# KiCad board ENV_KB.kicad_pcb (continued)
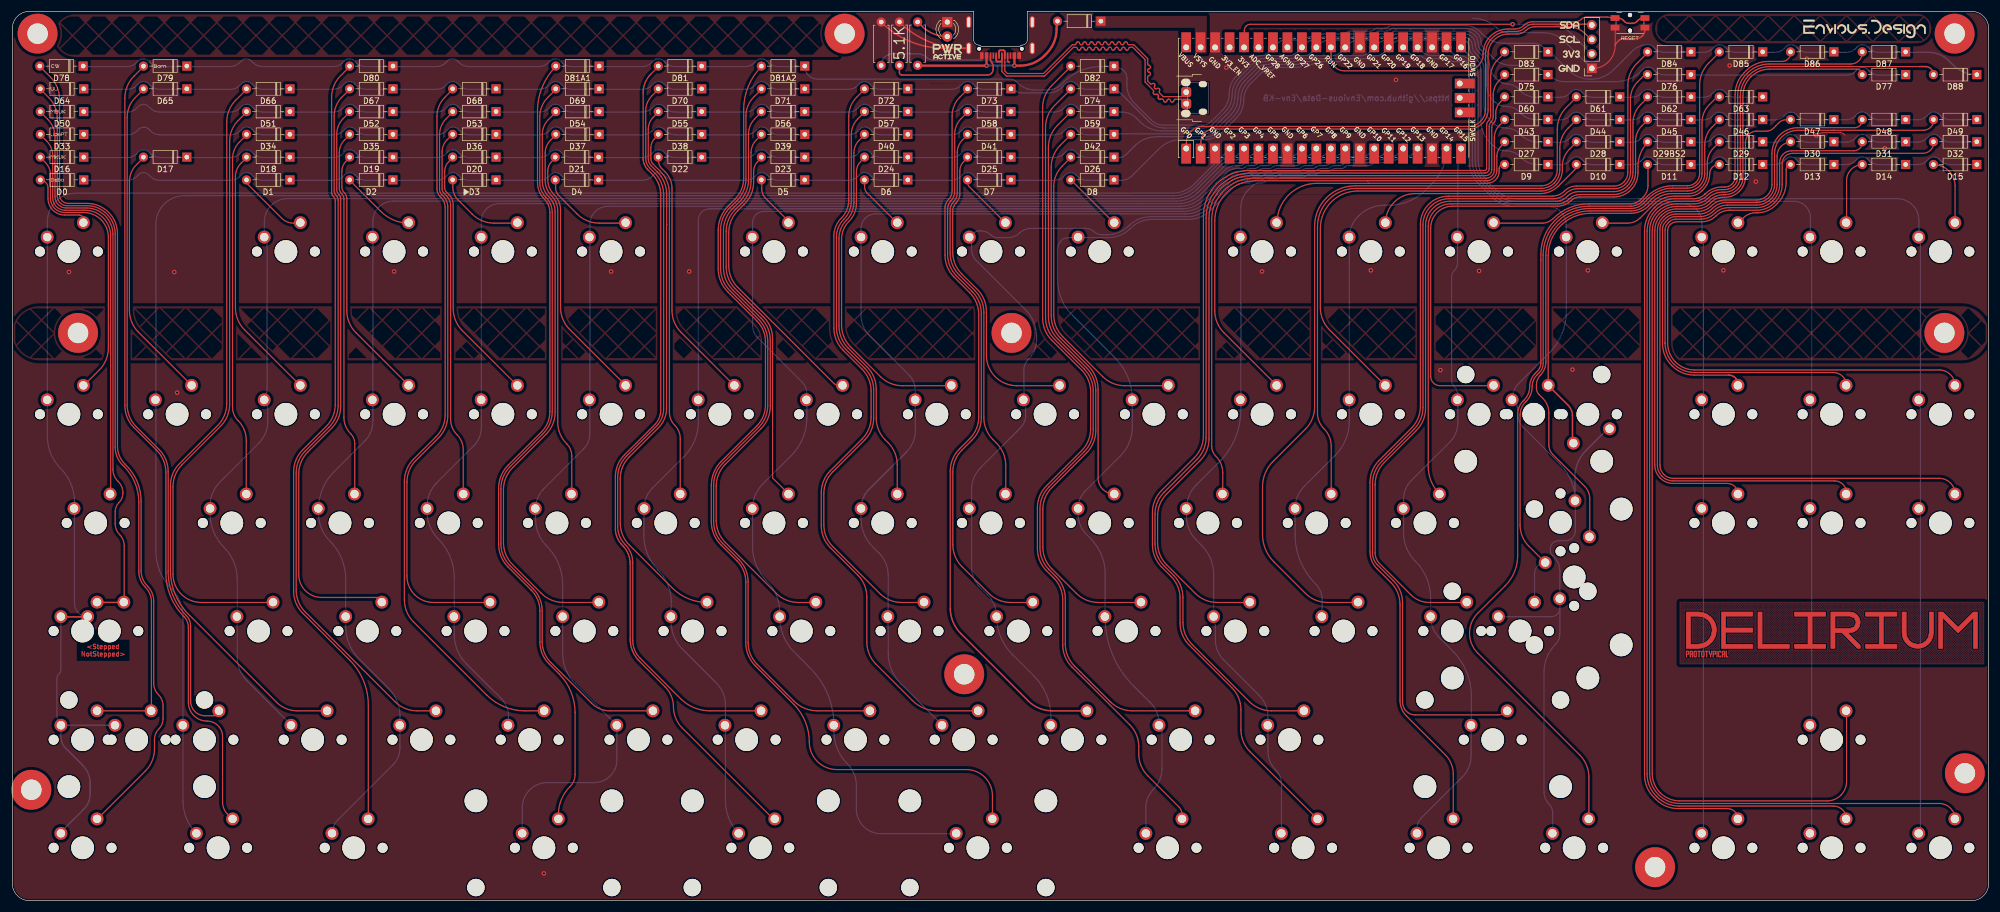
[diagram p0: board, top side]
## Routing (per net, layer and track width the routed paths; a pad name or vN(x,y) marks a point on that pad's centre or on a via; arc(x,y) is an arc through that point) (continued)

## Copper pours and planes (outline as drawn; the poured copper is in the pictures)
GND on Top, Bottom: 259.34,124.16 196.23,124.16 196.23,148.48 183.78,148.48 183.8,143.89 161.13,143.64 161.16,156.16 259.34,156.15
GND on Top, Bottom: -0.07,156.38 347.03,156.38 348.13,155.28 348.13,-0.31 -0.07,-0.31
(no net) on Top: 149.88,148.28 7.33,148.28 7.33,155.78 149.88,155.78
(no net) on Top: 336.95,150.69 288.43,150.69 288.43,155.88 336.95,155.88
(no net) on Top: 292.73,52.53 346.23,52.53 346.23,41.53 292.73,41.53
(no net) on Top: 347.06,94.96 -0.07,94.96 -0.07,104.48 347.06,104.48
VSYS on Top: 209.74,148.92 207.65,148.91 207.64,153.4 190.11,153.4 190.11,155.49 209.74,155.51

## Text on the board
Bottom: https://github.com/Envious-Data/Env-KB
Top: <Stepped / NotStepped>
F.Fab: USB Power | PLEASE CHECK ALIGNMENT OF "HRO-TYPE-C-31-M-12" | SDA | SCL | 3V3 | GND | CW | UU
F.Silkscreen: 5.1K
